# Altium PCB Modified.PcbDoc (part 2 of 3)
Units mm, origin at the board's own origin, x right, y up, seen from the top; angles counter-clockwise.
Board outline 130 x 95 mm, 2 copper layers (Top Layer, Bottom Layer), stack 1.671 mm thick; 165 components, 139 nets, 629 pads, 566 vias.
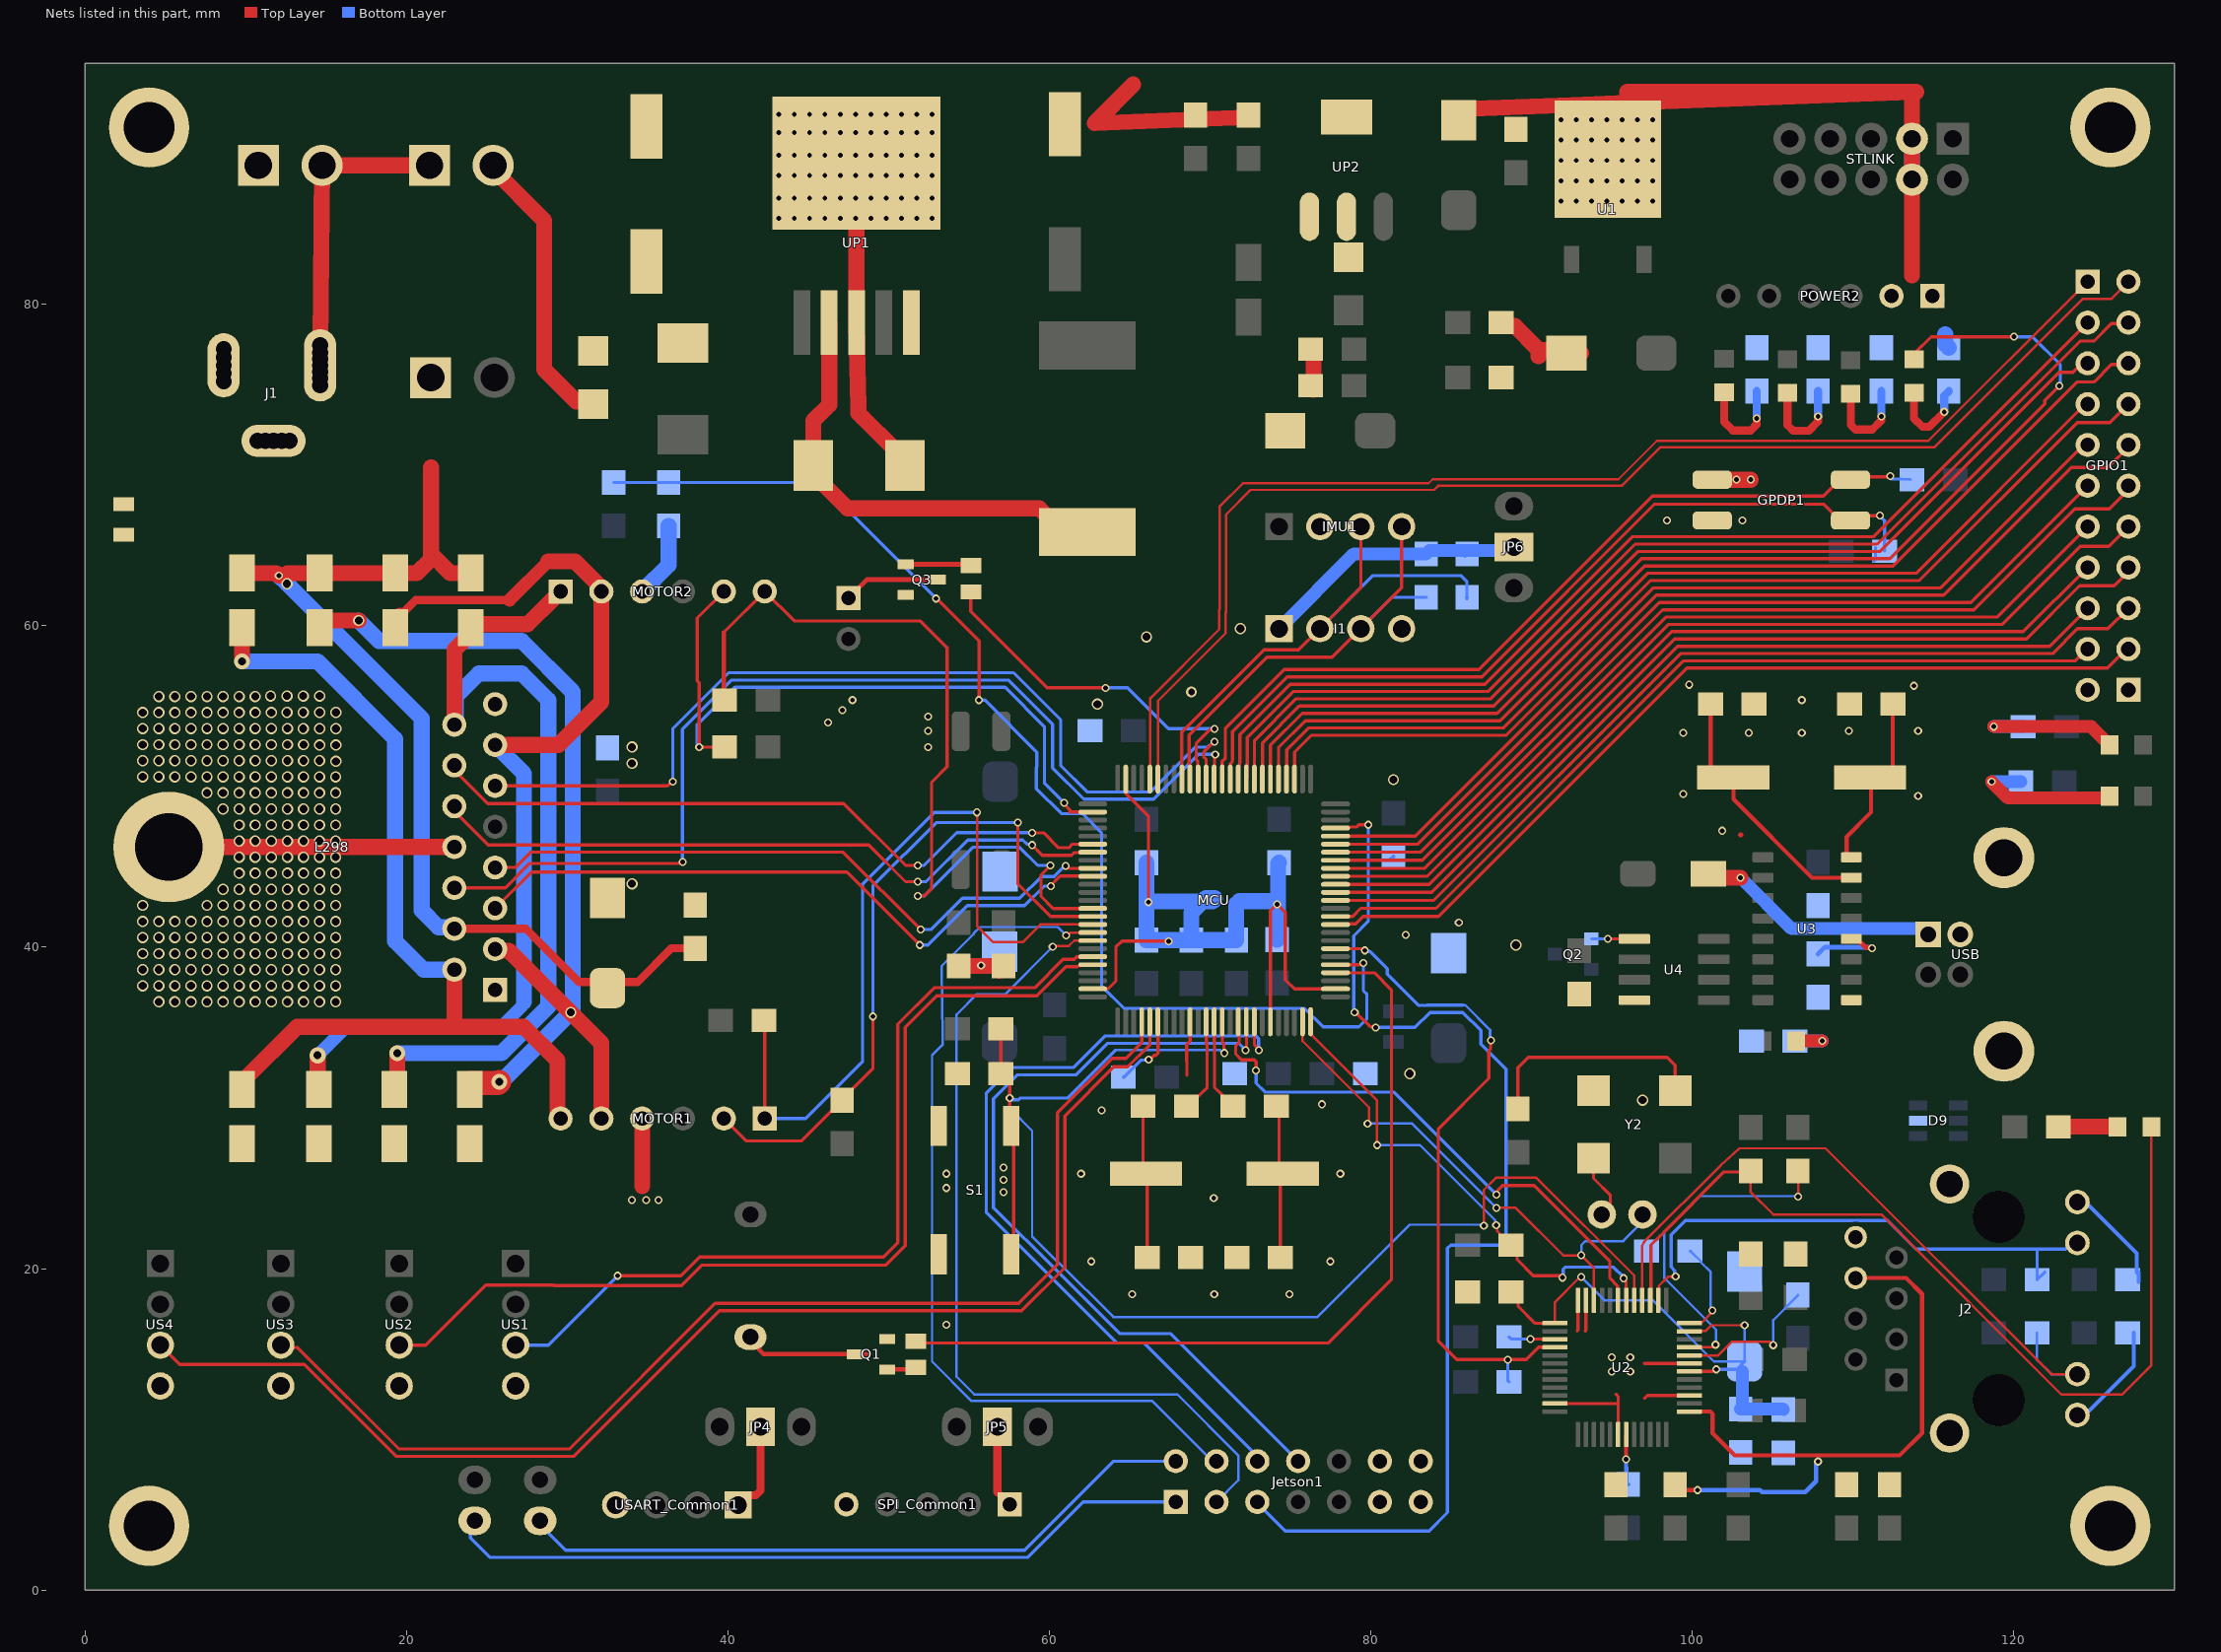
[diagram p2: the nets of this part, all layers, seen from the top]

## Via types
v1: diameter 0.7, hole 0.5, Top Layer to Bottom Layer, 217 vias
v2: diameter 0.5, hole 0.3, Top Layer to Bottom Layer, tented both sides, 183 vias
v3: diameter 0.5, hole 0.3, Top Layer to Bottom Layer, 139 vias
v4: diameter 0.7, hole 0.5, Top Layer to Bottom Layer, tented both sides, 19 vias
v5: diameter 1, hole 0.5, Top Layer to Bottom Layer, 4 vias
v6: diameter 0.7, hole 0.5, Top Layer to Bottom Layer, tented bottom, 3 vias
v7: diameter 0.7, hole 0.4, Top Layer to Bottom Layer, tented both sides, 1 vias

## Nets (pads, with @x,y where several pads share a name; then routed paths per layer and width w, separated by ;. In a path a pad name is that pad's centre, name@x,y a point inside that pad or via, vN(x,y) a via of type N, cw(c..) or ccw(c..) an arc to the next point about the centre after c; other vN are vias at no path point) (continued)
Buzzer: MCU.29 R14.1 | length 53
  Top Layer w0.2: R14.1@51.943,15.494 52.07,15.367 77.343,15.367 81.28,19.304 81.28,37.344 80.216,38.409 MCU.29@77.802,38.409
CH_XI: C39.2 U3.7 Y3.1 | length 16.3
  Top Layer w0.254: C39.2@101.139,55.118 101.139,51.169 101.762,50.546 Y3.1@102.557,50.546 102.557,49.208 107.442,44.323 U3.7@109.894,44.323
CH_XO: C38.2 U3.8 Y3.2 | length 11.2
  Top Layer w0.254: U3.8@109.601,45.593 109.601,46.863 111.125,48.387 111.125,50.478 Y3.2@111.057,50.546 111.852,50.546 112.475,51.169 C38.2@112.475,55.118
Com_I2C_SCL: Jetson1.4 MCU.92 | length 55.9
  Top Layer w0.15: v2(61.05,40.732) 61.145,40.732 61.323,40.909 MCU.92@62.702,40.909
  Bottom Layer w0.15: v2(61.05,40.732) 60.53,41.252 55.695,41.252 55.29,40.847 55.29,40.812 53.297,38.819 53.297,38.695 53.353,34.395 53.353,33.922 52.705,33.274 52.705,14.224 55.166,11.763 66.406,11.763 70.149,8.02 Jetson1.4@70.399,8.02
Com_I2C_SDA: Jetson1.3 MCU.93 | length 55.9
  Top Layer w0.15: v2(60.205,40.018) 60.257,40.07 61.209,40.07 61.548,40.409 MCU.93@62.702,40.409
  Bottom Layer w0.15: v2(60.205,40.018) 57.27,37.084 55.499,37.084 54.229,35.814 54.229,13.271 55.333,12.167 67.97,12.167 71.755,8.382 71.755,6.835 Jetson1.3@70.399,5.48
Com_SPI_MISO: Jetson1.8 MCU.17 | length 51.3
  Top Layer w0.2: v2(72.198,33.597) 72.198,33.678 72.262,33.742 72.262,35.349 MCU.17@72.26,35.351
  Bottom Layer w0.2: v2(72.198,33.597) 71.775,34.019 63.628,34.019 61.667,32.058 58.015,32.058 56.527,30.57 56.527,23.796 60.468,19.855 64.363,15.96 67.539,15.96 Jetson1.8@75.479,8.02
Com_SPI_MOSI: Jetson1.6 MCU.18 | length 52.1
  Top Layer w0.2: MCU.18@72.76,35.351 72.76,33.92 v2@73.152,33.528
  Bottom Layer w0.2: Jetson1.6@72.939,8.02 72.939,8.341 65.913,15.367 64.223,15.367 56.073,23.517 56.073,30.899 57.686,32.512 61.479,32.512 63.44,34.473 72.87,34.473 73.023,34.32 v2(73.023,33.597)
Com_SPI_SCK: Jetson1.5 MCU.47 | length 70.3
  Top Layer w0.2: MCU.47@77.802,47.409 78.579,47.409 78.644,47.475 79.112,47.475 79.254,47.617 v2(79.837,47.617) ; v2(78.994,35.941) 79.063,35.941 79.938,35.065 80.251,35.065 v2(80.308,35.008)
  Bottom Layer w0.2: Jetson1.5@72.939,5.48 72.939,5.42 74.676,3.683 83.625,3.683 84.768,4.826 84.768,21.268 84.963,21.463 88.011,21.463 88.413,21.865 88.413,32.41 86.849,33.974 86.849,34.817 85.725,35.941 83.685,35.941 82.752,35.008 v2(80.308,35.008) ; v2(78.994,35.941) 78.937,35.998 78.937,36.201 78.929,36.208 78.929,40.702 79.837,41.61 v2(79.837,47.617)
CRS_DV: MCU.32 R16.1 U2.40 | length 42.1
  Top Layer w0.2: MCU.32@77.81,39.901 79.444,39.901 79.548,39.797 v2(79.629,39.797) ; v2(87.479,34.198) 87.44,34.159 87.44,33.648 87.34,33.548 87.34,31.841 84.201,28.702 84.201,15.494 85.344,14.351 89.662,14.351 90.424,15.113 91.443,15.113 U2.40@91.451,15.105
  Bottom Layer w0.15: 85.725,36.395 85.878,36.395 87.422,34.851 87.422,34.752
  Bottom Layer w0.2: v2(79.629,39.797) 79.686,39.739 79.938,39.739 81.026,38.651 81.026,38.333 82.924,36.435 82.983,36.376 83.149,36.376 83.497,36.395 85.725,36.395 ; 87.422,34.752 87.422,34.256 v2(87.479,34.198) ; v2(88.519,14.339) 88.519,13.034 R16.1@88.599,12.954
ECHO_HC1: MCU.95 US1.3 | length 53.9
  Top Layer w0.2: v2(33.147,19.558) 37.077,19.558 38.241,20.722 49.678,20.722 50.581,21.625 50.581,35.214 52.843,37.476 59.087,37.476 60.849,39.237 61.554,39.237 61.707,39.39 62.7,39.39 MCU.95@62.71,39.401
  Bottom Layer w0.2: US1.3@26.797,15.24 28.829,15.24 v2(33.147,19.558)
ECHO_HC2: MCU.96 US2.3 | length 60.9
  Top Layer w0.2: US2.3@19.558,15.24 21.209,15.24 24.953,18.984 29.16,18.984 29.19,18.954 37.115,18.954 38.377,20.216 49.814,20.216 51.035,21.437 51.035,35.026 52.985,36.976 59.23,36.976 61.037,38.783 61.742,38.783 61.788,38.829 61.844,38.829 61.916,38.901 MCU.96@62.71,38.901
ECHO_HC3: MCU.4 US3.3 | length 73.5
  Top Layer w0.2: US3.3@12.192,15.24 12.336,15.096 13.225,15.096 19.539,8.782 30.153,8.782 39.208,17.837 58.089,17.837 60.506,20.254 60.506,29.695 63.898,33.087 64.763,33.087 65.752,34.076 MCU.4@65.752,35.327
ECHO_HC4: MCU.5 US4.3 | length 82
  Top Layer w0.2: US4.3@4.699,15.24 5.904,14.035 13.644,14.035 19.351,8.328 30.426,8.328 39.481,17.383 58.277,17.383 60.96,20.066 60.96,29.507 64.011,32.558 64.876,32.558 66.26,33.942 MCU.5@66.26,35.351
ENCDR_1A: MCU.90 MOTOR1.2 R38.2 | length 43.1
  Top Layer w0.2: MOTOR1.2@39.751,29.337 41.148,27.94 44.577,27.94 46.442,29.805 46.492,29.805 47.117,30.43 47.117,30.53 49.022,32.435 v2(49.022,35.687) ; v2(58.039,47.752) 58.039,43.942 60.072,41.909 MCU.90@62.702,41.909
  Bottom Layer w0.2: v2(49.022,35.687) 49.022,43.815 52.959,47.752 v2(58.039,47.752)
ENCDR_1B: MCU.91 MOTOR1.1 R36.2 | length 48.8
  Top Layer w0.15: v2(55.499,48.387) 55.499,41.321 56.515,40.305 58.339,40.305 59.443,41.409 61.36,41.409 MCU.91@62.702,41.409
  Top Layer w0.2: R36.2@42.244,35.433 42.291,35.386 MOTOR1.1@42.291,29.337
  Bottom Layer w0.2: MOTOR1.1@42.291,29.337 44.831,29.337 48.387,32.893 48.387,43.942 52.832,48.387 v2(55.499,48.387)
ENCDR_2A: MCU.77 MOTOR2.5 R37.2 | length 44.4
  Top Layer w0.2: MOTOR2.5@39.751,62.131 38.1,60.48 38.1,56.563 38.215,56.448 v2(38.215,52.451) R37.2@39.798,52.451 ; v2(60.932,48.971) 60.932,48.889 61.275,48.547 61.275,48.418 62.693,48.418 MCU.77@62.702,48.409
  Bottom Layer w0.2: v2(38.215,52.451) 38.215,52.532 38.1,52.647 38.1,53.834 40.432,56.166 57.248,56.166 59.69,53.724 59.69,50.213 v2(60.932,48.971)
ENCDR_2B: MCU.89 MOTOR2.6 R39.2 | length 52.7
  Top Layer w0.2: 39.751,59.591 MOTOR2.6@42.291,62.131 44.122,60.299 51.962,60.299 53.64,58.621 53.64,51.227 52.68,50.267 52.68,43.663 52.197,43.18 v2(51.816,43.18) ; v2(60.071,45.085) 59.48,44.494 59.48,43.171 60.241,42.409 MCU.89@62.702,42.409
  Top Layer w0.254: 39.751,59.591 39.751,55.419 R39.2@39.798,55.372
  Bottom Layer w0.2: v2(51.816,43.18) 52.197,43.18 55.235,46.218 58.158,46.218 59.291,45.085 v2(60.071,45.085)
ETH_MDC: MCU.16 U2.31 | length 34.7
  Top Layer w0.2: MCU.16@71.76,35.351 71.779,35.331 71.779,34.511 71.808,34.483 71.808,34.061 71.594,33.847 71.594,33.346 71.947,32.993 72.742,32.993 72.859,32.875 v2(72.859,32.32) ; v2(87.809,24.611) 87.866,24.669 87.866,24.834 88.197,25.164 90.152,25.164 94.869,20.447 94.869,19.392 95.349,18.912 95.349,18.715 95.381,18.683 U2.31@95.381,18.035
  Bottom Layer w0.2: v2(72.859,32.32) 72.859,31.535 73.406,30.988 81.432,30.988 v2(87.809,24.611)
ETH_MDIO: MCU.25 R24.2 U2.30 | length 31.1
  Top Layer w0.15: MCU.25@76.252,35.359 76.252,34.609 80.391,30.47 v2(80.391,27.686) ; v2(87.799,22.703) 87.865,22.636 87.865,22.324 88.026,22.163 88.026,22.113 88.676,21.463 R24.2@88.726,21.463
  Top Layer w0.2: R24.2@88.726,21.463 89.108,21.081 89.108,20.555 90.105,19.558 91.798,19.558 v2(91.915,19.44) ; v2(95.73,19.403) 95.73,19.378 95.881,19.227 U2.30@95.881,18.035
  Bottom Layer w0.15: v2(80.391,27.686) 83.058,27.686 87.734,23.01 87.734,22.767 v2(87.799,22.703)
  Bottom Layer w0.2: v2(91.915,19.44) 91.972,19.498 91.972,19.973 92.09,20.09 95.099,20.09 95.73,19.459 v2(95.73,19.403)
EXTI14: GPDP1.1 MCU.61 R7.2 | length 52.9
  Top Layer w0.2: MCU.61@71.26,50.451 71.271,50.461 71.271,51.434 71.38,51.544 71.38,51.644 71.398,51.662 71.398,53.421 74.792,56.814 86.906,56.814 97.656,67.564 108.166,67.564 109.182,66.548 GPDP1.1@109.837,66.548 110.136,66.847 v2(111.663,66.847)
  Bottom Layer w0.2: R7.2@111.292,64.018 111.394,64.12 R7.2@111.394,64.85 ; v2(111.663,66.847) 111.967,66.543 R7.2@111.967,64.643
EXTI15: GPDP1.2 MCU.62 R8.2 | length 52.5
  Top Layer w0.2: MCU.62@70.754,50.457 70.754,51.56 70.926,51.732 70.926,51.832 70.944,51.85 70.944,53.609 74.604,57.268 86.718,57.268 97.522,68.072 108.166,68.072 109.182,69.088 GPDP1.2@109.837,69.088 110.005,69.256 112.262,69.256 v2(112.319,69.313)
  Bottom Layer w0.2: v2(112.319,69.313) 112.377,69.256 112.377,69.139 112.393,69.123 112.99,69.123 R8.2@113.571,69.088
F2: F3.1 UP2.2 UP2.4
GND: C1.2 C2.2 C3.1 C4.1 C5.2 C6.2 C7.2 C8.1 C9.1 C10.1 C11.1 C12.1 C13.2 C14.1 C15.1 C16.1 C17.1 C18.1 C19.1 C20.2 C21.2 C22.1 C23.1 C24.1 C25.1 C26.1 C27.1 C28.1 C29.1 C30.1 C31.1 C32.2 C33.1 C34.1 C35.1 C36.1 C37.1 C38.1 C39.1 C40.1 C41.1 C42.1 CHARGER.1 D3.1 D9.2 FG1.2 GND.1 GND.2 GPDP1.3 GPDP1.4 I1.4 IMU1.2 J1.2 J1.3 J2.8 J2.15 J2.16 Jetson1.11 Jetson1.12 Jetson1.13 Jetson1.14 M1.S M2.S M3.S M4.S MCU.10 MCU.20 MCU.27 MCU.74 MCU.99 MOTOR1.4 MOTOR2.3 POWER2.1 POWER2.2 Q1.2 Q3.2 R1.1 R2.1 R3.1 R6.1 R12.2 R13.2 R20.1 R35.1 R44.2 S1.2 SPI_Common1.5 STLINK.3 STLINK.4 U1.2 U2.6 U2.15 U2.19 U2.35 U2.36 U2.47 U3.1 U4.4 UP1.3 UP1.5 UP1.6 UP2.1 US1.4 US2.4 US3.4 US4.4 USART_Common1.4 USB.4 Y2.2 | length 203.1
  Top Layer w0.2: MCU.99@62.71,37.401 63.477,37.401 63.498,37.422 63.676,37.422 64.135,37.881 64.135,40.005 64.516,40.386 v2@67.564,40.386 ; MCU.74@64.76,50.451 64.771,50.44 64.771,49.545 66.167,48.148 v2(66.167,42.799) ; 68.552,32.032 68.552,32.875 68.539,32.889 68.539,33.929 68.76,34.151 MCU.10@68.76,35.351 ; MCU.20@73.76,35.351 73.76,42.264 v2(74.168,42.672) 74.676,42.164 74.676,37.973 75.248,37.401 MCU.27@77.81,37.401 ; U2.47@91.451,11.605 95.381,11.605 ; 92.837,16.129 92.881,16.173 U2.36@92.881,18.035 ; 93.345,16.129 93.381,16.165 U2.35@93.381,18.035 ; 95.25,12.192 95.381,12.061 95.381,11.605 ; U2.6@95.381,9.675 95.381,11.605 ; 97.028,11.938 97.195,12.105 U2.15@99.811,12.105 ; 97.028,14.097 97.036,14.105 U2.19@99.811,14.105
  Top Layer w0.3: 102.997,46.99 103.012,46.99
  Top Layer w1: 34.671,25.146 MOTOR1.4@34.671,29.337 ; UP1.6@48.006,86.614 UP1.6@48.006,88.783 ; UP1.6@48.006,88.011 UP1.6@48.006,88.783 ; D3.1@51.018,69.977 51.018,70.327 50.293,71.052 48.404,72.94 48.12,73.224 48.112,73.626 48.031,77.357 UP1.3@48.006,78.858 UP1.6@48.006,88.783 ; R13.2@54.356,38.829 56.584,38.829 56.883,38.53 57.15,38.797 R12.2@57.15,38.829 ; 65.215,93.662 62.818,91.266 69.088,91.506 C4.1@72.39,91.632 ; C8.1@76.44,74.676 76.44,76.429 ; C5.2@85.471,92.131 92.55,92.402 95.963,92.532 97.46,92.589 113.665,93.208 STLINK.4@113.665,87.757 113.665,81.788 ; C11.1@88.439,78.867 88.664,78.642 88.962,78.642 90.442,77.162 ; 90.442,76.756 90.442,77.162 ; C7.2@92.726,76.953 C7.2@92.735,76.962 ; C7.2@93.063,76.962 C7.2@92.735,76.962 ; U1.2@94.742,89.027 94.742,91.491 95.956,92.705 95.956,93.218 113.919,93.218 ; GPDP1.3@101.237,69.088 v2(103.632,69.088) ; POWER2.2@112.395,80.518 POWER2.2@112.395,80.653 ; 90.442,77.162 92.063,77.162 92.263,76.962 C7.2@92.735,76.962
  Bottom Layer w0.254: C28.1@81.233,45.466 C28.1@81.407,45.64
  Bottom Layer w1: MOTOR2.3@34.671,62.131 36.322,63.782 R44.2@36.322,66.214 ; C19.1@66.04,45.259 v2@66.04,42.85 ; 70.231,42.926 70.155,42.85 69.528,42.85 ; 70.294,43.053 69.731,43.053 69.528,42.85 ; C18.1@74.168,40.466 74.231,40.529 v2@74.231,42.862 ; C17.1@74.295,45.259 74.231,45.196 v2@74.231,42.862 ; STLINK.4@113.665,87.757 STLINK.3@113.665,90.297 ; POWER2.1@114.935,80.518 POWER2.1@115.185,80.268 ; 115.726,78.128 115.726,77.521 R6.1@115.951,77.296 ; v2@66.04,42.85 69.528,42.85 ; v2@66.04,42.85 C16.1@66.04,40.441 C14.1@68.834,40.441 ; C14.1@68.834,40.441 68.834,42.156 69.528,42.85 ; C14.1@68.834,40.441 C15.1@71.628,40.441 71.628,42.672 71.819,42.862 v2@74.231,42.862
  other v2: 94.996,13.589 96.139,13.589 94.996,14.478 96.139,14.478 53.594,16.51 65.151,18.415 70.26,18.415 74.93,18.415 62.611,20.447 77.47,20.447 34.036,24.257 34.925,24.257 35.687,24.257 70.231,24.384 57.15,24.765 53.594,25.019 57.15,25.527 53.594,25.908 61.976,25.908 78.105,25.908 57.15,26.289 63.246,29.845 76.962,30.226 55.753,38.862 67.428,40.371 82.169,40.767 85.471,41.529 101.854,47.244 114.046,49.403 99.441,49.53 52.451,52.451 99.441,53.34 103.505,53.34 106.807,53.34 52.451,53.467 109.728,53.467 114.046,53.467 46.228,53.975 52.451,54.356 47.117,54.737 47.752,55.372 106.807,55.372 113.792,56.261 99.805,56.327 98.425,66.548 103.124,66.548 102.743,69.088
  other v3: 43.18,85.344 44.133,85.344 45.085,85.344 46.038,85.344 46.99,85.344 47.942,85.344 48.895,85.344 49.847,85.344 50.8,85.344 51.752,85.344 52.705,85.344 91.826,86.411 92.778,86.411 93.731,86.411 94.683,86.411 95.636,86.411 96.588,86.411 97.541,86.411 43.18,86.614 44.133,86.614 45.085,86.614 46.038,86.614 46.99,86.614 47.942,86.614 48.895,86.614 49.847,86.614 50.8,86.614 51.752,86.614 52.705,86.614 91.826,87.681 92.778,87.681 93.731,87.681 94.683,87.681 95.636,87.681 96.588,87.681 97.541,87.681 43.18,88.011 44.133,88.011 45.085,88.011 46.038,88.011 46.99,88.011 47.942,88.011 48.895,88.011 49.847,88.011 50.8,88.011 51.752,88.011 52.705,88.011 91.826,88.951 92.778,88.951 93.731,88.951 94.683,88.951 95.636,88.951 96.588,88.951 97.541,88.951 43.18,89.281 44.133,89.281 45.085,89.281 46.038,89.281 46.99,89.281 47.942,89.281 48.895,89.281 49.847,89.281 50.8,89.281 51.752,89.281 52.705,89.281 91.826,90.221 92.778,90.221 93.731,90.221 94.683,90.221 95.636,90.221 96.588,90.221 97.541,90.221 43.18,90.678 44.133,90.678 45.085,90.678 46.038,90.678 46.99,90.678 47.942,90.678 48.895,90.678 49.847,90.678 50.8,90.678 51.752,90.678 52.705,90.678 91.826,91.491 92.778,91.491 93.731,91.491 94.683,91.491 95.636,91.491 96.588,91.491 97.541,91.491 43.18,91.821 44.133,91.821 45.085,91.821 46.038,91.821 46.99,91.821 47.942,91.821 48.895,91.821 49.847,91.821 50.8,91.821 51.752,91.821 52.705,91.821
  other v4: 96.901,30.48 82.423,32.131 89.027,40.132 81.407,50.419 62.992,55.118 71.882,59.817
  other v6: 66.04,59.309
  other v7: 68.834,55.88
I2C3_PWR: I1.1 JP6.2 R40.2 R41.2 | length 16.9
  Bottom Layer w0.254: R40.2@85.852,64.342 R40.2@85.979,64.469
  Bottom Layer w0.8: I1.1@74.295,59.817 78.947,64.469 R41.2@83.439,64.469 83.653,64.683 88.686,64.683 JP6.2@88.9,64.897
I2C3_SCL: I1.2 IMU1.3 MCU.67 R40.1 | length 33.3
  Top Layer w0.2: MCU.67@68.26,50.451 68.234,50.477 68.234,53.375 73.352,58.493 75.511,58.493 I1.2@76.835,59.817 79.375,62.357 IMU1.3@79.375,66.167
  Bottom Layer w0.2: I1.2@76.835,59.817 80.137,63.119 85.598,63.119 85.979,62.738 R40.1@85.979,61.769
  Bottom Layer w0.254: R40.1@85.979,61.719 R40.1@85.979,61.769
I2C3_SDA: I1.3 IMU1.4 MCU.66 R41.1 | length 28.5
  Top Layer w0.2: MCU.66@68.76,50.451 68.732,50.479 68.732,51.434 68.688,51.478 68.688,53.187 73.54,58.039 77.597,58.039 I1.3@79.375,59.817 81.915,62.357 IMU1.4@81.915,66.167
  Bottom Layer w0.2: I1.3@79.375,59.817 81.327,61.769 R41.1@83.439,61.769
L298VS: C43.2 C44.1 D11.2 D12.2 D13.2 D14.2 L298.4 MOTOR.1 | length 65.2
  Top Layer w0.5: L298.4@22.987,41.148 27.432,41.148 28.273,40.307 30.749,37.831 32.512,37.831 34.382,37.831 36.476,39.925 C43.2@37.973,39.925
  Top Layer w1: D11.2@9.779,63.271 11.913,63.271 v2(12.065,63.119) 12.446,63.119 12.598,63.271 D12.2@14.605,63.271 D13.2@19.304,63.271 20.654,63.271 21.526,64.143 21.526,64.477 ; 21.526,69.85 21.526,64.477 ; D14.2@24.003,63.271 22.733,63.271 21.526,64.477
  Bottom Layer w1: v2(12.065,63.119) v4(12.573,62.611) 20.955,54.229 20.955,42.291 22.002,41.244 22.891,41.244 L298.4@22.987,41.148
LED_ACT: J2.11 R17.1 U2.26 | length 34
  Top Layer w0.15: U2.26@97.881,18.035 97.917,18.071 97.917,18.923 98.412,19.418 98.487,19.493 98.931,19.493 v2(98.962,19.524)
  Bottom Layer w0.2: v2(98.962,19.524) 98.905,19.581 98.905,19.872 98.679,20.098 98.679,22.098 99.568,22.987 109.943,22.987 109.966,23.01 110.358,23.01 110.381,22.987 112.141,22.987 113.908,21.22 121.445,21.22 ; R17.1@121.928,19.787 R17.1@121.445,19.304 121.445,21.22 ; J2.11@123.952,21.602 123.592,21.602 123.21,21.22 121.445,21.22
LED_LINK: J2.10 R19.1 U2.28 | length 43.4
  Top Layer w0.15: U2.28@96.881,18.035 96.881,21.381 96.881,21.443 96.992,21.653 101.784,26.445 102.924,27.486 108.277,27.486 122.331,13.432 J2.10@123.952,13.432
  Bottom Layer w0.15: R19.1@121.445,16.002 121.445,14.318 122.331,13.432 J2.10@123.952,13.432
LED_SPEED: R21.1 SPEED.1 U2.27 | length 58.6
  Top Layer w0.15: R21.1@103.632,26.082 103.632,24.765 105.029,23.368 111.76,23.368 122.967,12.161 126.715,12.161 128.558,14.004 SPEED.1@128.558,28.829
  Top Layer w0.2: U2.27@97.381,18.035 97.421,18.075 97.421,21.475 97.934,21.988 98.023,22.055 ccw(c97.028,23.368) 98.196,22.207 ccw(c96.464,23.932) 98.203,22.214 101.845,25.899 101.962,26.016 103.566,26.016 R21.1@103.632,26.082
LM_OUT: D3.2 L1.1 UP1.2 | length 28.4
  Top Layer w1: UP1.2@46.306,78.858 46.306,73.738 45.318,72.75 D3.2@45.318,69.977 46.043,69.252 46.043,68.716 47.449,67.31 59.375,67.31 60.857,65.828 L1.1@62.357,65.828
M_GND: C43.1 C44.2 C45.1 D15.1 D16.1 D17.1 D18.1 FG1.1 L298.1 L298.8 L298.15 L298.16 | length 17.8
  Top Layer w1: L298.16@5.217,46.228 L298.8@22.987,46.228
  other v1: 4.6,36.6 5.6,36.6 6.6,36.6 7.6,36.6 8.6,36.6 9.6,36.6 10.6,36.6 11.6,36.6 12.6,36.6 13.6,36.6 14.6,36.6 15.6,36.6 3.6,37.6 4.6,37.6 5.6,37.6 6.6,37.6 7.6,37.6 8.6,37.6 9.6,37.6 10.6,37.6 11.6,37.6 12.6,37.6 13.6,37.6 14.6,37.6 15.6,37.6 3.6,38.6 4.6,38.6 5.6,38.6 6.6,38.6 7.6,38.6 8.6,38.6 9.6,38.6 10.6,38.6 11.6,38.6 12.6,38.6 13.6,38.6 14.6,38.6 15.6,38.6 3.6,39.6 4.6,39.6 5.6,39.6 6.6,39.6 7.6,39.6 8.6,39.6 9.6,39.6 10.6,39.6 11.6,39.6 12.6,39.6 13.6,39.6 14.6,39.6 15.6,39.6 3.6,40.6 4.6,40.6 5.6,40.6 6.6,40.6 7.6,40.6 8.6,40.6 9.6,40.6 10.6,40.6 11.6,40.6 12.6,40.6 13.6,40.6 14.6,40.6 15.6,40.6 3.6,41.6 4.6,41.6 5.6,41.6 6.6,41.6 7.6,41.6 8.6,41.6 9.6,41.6 10.6,41.6 11.6,41.6 12.6,41.6 13.6,41.6 14.6,41.6 15.6,41.6 3.6,42.6 7.6,42.6 8.6,42.6 9.6,42.6 10.6,42.6 11.6,42.6 12.6,42.6 13.6,42.6 14.6,42.6 15.6,42.6 8.6,43.6 9.6,43.6 10.6,43.6 11.6,43.6 12.6,43.6 13.6,43.6 14.6,43.6 15.6,43.6 9.6,44.6 10.6,44.6 11.6,44.6 12.6,44.6 13.6,44.6 14.6,44.6 15.6,44.6 9.6,45.6 10.6,45.6 11.6,45.6 12.6,45.6 13.6,45.6 14.6,45.6 15.6,45.6 9.6,46.6 10.6,46.6 11.6,46.6 12.6,46.6 13.6,46.6 14.6,46.6 15.6,46.6 9.6,47.6 10.6,47.6 11.6,47.6 12.6,47.6 13.6,47.6 14.6,47.6 15.6,47.6 8.6,48.6 9.6,48.6 10.6,48.6 11.6,48.6 12.6,48.6 13.6,48.6 14.6,48.6 15.6,48.6 7.6,49.6 8.6,49.6 9.6,49.6 10.6,49.6 11.6,49.6 12.6,49.6 13.6,49.6 14.6,49.6 15.6,49.6 3.6,50.6 4.6,50.6 5.6,50.6 6.6,50.6 7.6,50.6 8.6,50.6 9.6,50.6 10.6,50.6 11.6,50.6 12.6,50.6 13.6,50.6 14.6,50.6 15.6,50.6 15.621,51.562 3.6,51.6 4.6,51.6 5.6,51.6 6.6,51.6 7.6,51.6 8.6,51.6 9.6,51.6 10.6,51.6 11.6,51.6 12.6,51.6 13.6,51.6 14.6,51.6 14.605,52.578 15.621,52.578 3.6,52.6 4.6,52.6 5.6,52.6 6.6,52.6 7.6,52.6 8.6,52.6 9.6,52.6 10.6,52.6 11.6,52.6 12.6,52.6 13.6,52.6 3.6,53.6 4.6,53.6 5.6,53.6 6.6,53.6 7.6,53.6 8.6,53.6 9.6,53.6 10.6,53.6 11.6,53.6 12.6,53.6 13.589,53.594 14.605,53.594 15.621,53.594 3.6,54.6 4.6,54.6 5.6,54.6 6.6,54.6 7.6,54.6 8.6,54.6 9.6,54.6 10.6,54.6 11.6,54.6 12.573,54.61 13.589,54.61 14.605,54.61 15.621,54.61 4.6,55.6 5.6,55.6 6.6,55.6 7.6,55.6 8.6,55.6 9.6,55.6 10.6,55.6 11.557,55.626 12.573,55.626 13.589,55.626 14.605,55.626
  other v4: 34.036,43.942 34.036,51.435 34.036,52.451
Motor_A1: L298.5 MCU.85 | length 41.8
  Top Layer w0.2: L298.5@25.527,42.418 27.777,44.668 47.407,44.668 v3(51.943,40.132) ; v2(60.093,43.798) 60.093,43.842 60.577,44.325 60.581,44.325 60.688,44.432 60.886,44.432 60.889,44.429 62.682,44.429 MCU.85@62.702,44.409
  Bottom Layer w0.2: v3(51.943,40.132) 52.451,40.132 54.908,42.589 58.464,42.589 59.673,43.798 v2(60.093,43.798)
Motor_A2: L298.7 MCU.84 | length 41.3
  Top Layer w0.2: L298.7@25.527,44.958 26.783,44.958 27.737,45.912 47.179,45.912 v3(51.989,41.102) ; v2@60.96,45.063 61.041,45.063 61.195,44.909 MCU.84@62.702,44.909
  Bottom Layer w0.2: v3(51.989,41.102) 52.659,41.102 54.6,43.043 58.156,43.043 59.515,44.402 60.3,44.402 v2@60.96,45.063
  other v2: 61.017,45.063
Motor_B1: L298.10 MCU.82 | length 43.4
  Top Layer w0.2: L298.10@22.987,48.768 22.987,48.477 24.063,47.401 25.098,46.366 48.757,46.366 51.049,44.075 v3@51.744,44.075 ; v2(58.928,46.355) 58.928,46.347 59.562,45.713 61.382,45.713 61.559,45.89 62.682,45.89 MCU.82@62.702,45.909
  Bottom Layer w0.2: v3@51.744,44.075 52.322,44.075 54.92,46.672 58.346,46.672 58.607,46.411 58.872,46.411 v2(58.928,46.355)
  other v3: 51.816,44.075
Motor_B2: L298.12 MCU.81 | length 43.8
  Top Layer w0.2: L298.12@22.987,51.308 22.987,51.017 25.07,48.934 47.205,48.934 51.054,45.085 v3@51.689,45.085 ; v2(58.928,47.117) 59.644,47.117 60.578,46.183 61.21,46.183 61.436,46.409 MCU.81@62.702,46.409
  Bottom Layer w0.2: v3@51.689,45.085 52.197,45.085 54.238,47.126 58.919,47.126 v2(58.928,47.117)
  other v3: 51.816,45.085
Motor_EN_A: L298.6 MCU.63 | length 64.9
  Top Layer w0.2: L298.6@22.987,43.688 26.155,43.688 27.679,45.212 36.944,45.212 36.982,45.251 37.137,45.251 v3(37.194,45.308) ; MCU.63@70.252,50.459 70.271,50.479 70.271,51.931 v2(70.322,51.982)
  Bottom Layer w0.2: v3(37.194,45.308) 37.18,45.322 37.18,53.556 40.244,56.62 57.436,56.62 60.198,53.858 60.198,51.153 62.148,49.203 66.482,49.203 69.276,51.997 70.307,51.997 v2(70.322,51.982)
Motor_EN_B: L298.11 MCU.64 | length 58.2
  Top Layer w0.2: L298.11@25.527,50.038 36.241,50.038 36.495,50.292 v3(36.576,50.292) ; MCU.64@69.752,50.459 69.752,51.699 69.596,51.854 69.596,52.11 v2(70.272,52.787)
  Bottom Layer w0.2: v3(36.576,50.292) 36.576,53.594 40.056,57.074 57.766,57.074 60.706,54.134 60.706,51.287 62.336,49.657 66.294,49.657 69.088,52.451 69.856,52.451 70.156,52.752 v2@70.156,52.787
NetC1_1: C1.1 D1.1 F1.2
NetC24_2: C24.2 R10.2 Y1.2 | length 9.9
  Top Layer w0.15: Y1.2@65.833,26.278 65.463,25.908 Y1.2@66.087,25.284
  Top Layer w0.2: Y1.2@65.833,26.278 R10.2@65.833,30.226 ; C24.2@66.087,20.701 Y1.2@66.087,25.284
NetC26_2: C26.2 R11.2 Y1.1 | length 10
  Top Layer w0.15: Y1.1@73.867,25.812 Y1.1@74.121,26.066 ; Y1.1@74.375,25.773 Y1.1@74.51,25.908
  Top Layer w0.2: R11.2@74.121,30.099 74.295,29.925 74.295,26.123 Y1.1@74.51,25.908 ; C26.2@74.375,20.701 Y1.1@74.375,25.773
NetC41_2: C41.2 U3.4 | length 5
  Top Layer w0.3: U3.4@109.894,40.513 110.239,40.513 110.784,39.968 111.132,39.968 v2(111.17,39.929)
  Bottom Layer w0.3: C41.2@107.823,39.577 108.251,40.005 v2@111.125,40.005
NetCHARGER_2: CHARGER.2 J1.1 POWER.1 | length 20.5
  Top Layer w1: J1.1@14.636,75.8 J1.1@14.636,75.4 14.64,75.8 14.643,76.2 14.647,76.6 14.65,77 14.654,77.45 CHARGER.2@14.755,88.646 POWER.1@21.59,88.646
NetD2_1: D2.1 R1.2 | length 6
  Top Layer w0.5: D2.1@109.855,74.422 109.855,72.5 110.148,72.207 111.196,72.207 111.76,72.771 v2(111.76,73.025)
  Bottom Layer w0.5: v2(111.76,73.025) R1.2@111.76,74.596
NetD5_1: D5.1 R2.2 | length 6.2
  Top Layer w0.5: D5.1@105.918,74.481 105.918,72.483 106.265,72.136 107.25,72.136 107.823,72.709 v2(107.823,73.025)
  Bottom Layer w0.5: v2(107.823,73.025) R2.2@107.823,74.596
NetD6_1: D6.1 R3.2 | length 6.3
  Top Layer w0.5: D6.1@101.981,74.515 101.981,72.683 102.52,72.144 103.64,72.144 104.013,72.517 v2(104.013,72.898)
  Bottom Layer w0.5: v2(104.013,72.898) R3.2@104.013,74.596
NetD7_1: D7.1 R6.2 | length 5.5
  Top Layer w0.5: D7.1@113.792,74.481 113.792,72.898 114.318,72.372 114.733,72.372 v2(115.669,73.307)
  Bottom Layer w0.5: v2(115.669,73.307) 115.669,74.314 R6.2@115.951,74.596
NetD10_1: D10.1 R35.2 | length 3.3
  Top Layer w0.8: D10.1@106.46,34.163 v2(108.077,34.163)
  Bottom Layer w0.8: R35.2@106.379,34.163 v2(108.077,34.163)
NetDP1_1: DP1.1 USB.1 | length 15.3
  Top Layer w1: DP1.1@101.006,44.577 101.26,44.323 v2(102.997,44.323)
  Bottom Layer w0.8: v2(102.997,44.323) 106.172,41.148 114.389,41.148 USB.1@114.67,40.867
  Bottom Layer w1: USB.1@114.67,40.798 USB.1@114.67,40.867
NetF1_1: F1.1 POWER.2 | length 17.8
  Top Layer w1: POWER.2@25.4,88.392 28.575,85.217 28.575,75.946 30.562,73.959 31.198,73.959 F1.1@31.623,73.534
NetJ2_9: J2.9 R31.2 | length 6.8
  Bottom Layer w0.254: J2.9@123.952,10.892 124.196,11.136 124.674,11.136 127.461,13.923 R31.2@127.461,16.002
NetJ2_12: J2.12 R32.2 | length 7
  Bottom Layer w0.254: J2.12@123.952,24.142 124.196,23.898 124.692,23.898 127.635,20.955 127.635,19.904 127.635,19.775 127.744,19.666 R32.2@127.762,19.666 ; R32.2@127.762,19.177 R32.2@127.762,19.666 ; R32.2@127.762,19.775 R32.2@127.762,19.666
NetJetson1_1: Jetson1.1 JP1.2 | length 46.9
  Bottom Layer w0.2: JP1.2@23.991,4.393 23.991,3.255 25.214,2.032 58.645,2.032 62.093,5.48 Jetson1.1@67.859,5.48
NetJetson1_2: Jetson1.2 JP2.1 | length 43
  Bottom Layer w0.2: JP2.1@28.067,4.318 29.899,2.486 58.457,2.486 63.991,8.02 Jetson1.2@67.859,8.02 ; JP2.1@28.067,4.445 JP2.1@28.067,4.572
NetJP3_2: JP3.2 Y2.3 | length 4
  Top Layer w0.2: Y2.3@93.853,26.868 93.853,25.616 94.902,24.567 JP3.2@94.902,23.462 ; JP3.2@94.775,23.462 JP3.2@94.869,23.368
NetJP4_2: JP4.2 USART_Common1.1 | length 5.7
  Top Layer w0.5: USART_Common1.1@40.64,5.298 41.24,5.898 41.744,5.898 42.037,6.19 JP4.2@42.037,10.16
NetJP5_2: JP5.2 SPI_Common1.1 | length 5.1
  Top Layer w0.5: JP5.2@56.769,10.16 56.769,6.096 SPI_Common1.1@57.531,5.334
NetMCU_6: MCU.6 R4.2 | length 4.7
  Top Layer w0.2: v2(66.183,33.011) 66.264,33.011 66.515,33.261 66.619,33.261 66.76,33.403 MCU.6@66.76,35.351
  Bottom Layer w0.2: R4.2@64.601,31.917 64.651,31.917 65.711,32.977 66.149,32.977 v2(66.183,33.011)
NetP1_1: P1.1 Q3.3 | length 6
  Top Layer w0.3: P1.1@47.498,61.722 48.641,62.865 Q3.3@53.07,62.865
NetQ1_1: Q1.1 R14.2 | length 1.9
  Top Layer w0.3: Q1.1@49.884,13.733 51.579,13.733 R14.2@51.689,13.843
NetQ1_3: Q1.3 SP1.2 | length 8
  Top Layer w0.254: SP1.2@41.159,15.743 41.243,15.743 41.959,15.027 41.959,14.943 42.218,14.684 48.646,14.684
NetQ2_1: Q2.1 U4.1 | length 2.8
  Top Layer w0.203: v2@94.615,40.513 U4.1@96.393,40.513
  Bottom Layer w0.203: Q2.1@93.726,40.513 v2(94.742,40.513)
NetQ3_1: Q3.1 R42.2 | length 4.1
  Top Layer w0.3: Q3.1@51.07,63.815 55.057,63.815 R42.2@55.118,63.754
NetR15_1: R15.1 Y2.1 | length 14.4
  Top Layer w0.2: R15.1@89.154,29.937 89.154,32.512 89.789,33.147 98.425,33.147 98.933,32.639 Y2.1@98.933,31.068
NetR18_2: R18.2 U2.7 | length 3.2
  Top Layer w0.254: v2(95.881,8.132) U2.7@95.881,9.675
  Bottom Layer w0.254: v2(95.881,8.132) 95.881,7.624 95.889,7.616 95.889,6.692 R18.2@96.012,6.569
NetR20_2: R20.2 U2.24 | length 5.9
  Top Layer w0.15: U2.24@99.811,16.605 99.876,16.67 100.617,16.67 v2@101.219,17.272
  Bottom Layer w0.15: R20.2@99.855,21.082 99.905,21.082 100.555,20.432 100.555,20.382 101.125,19.812 v2@101.125,17.399
  other v2: 101.252,17.399
NetR22_1: R22.1 SPEED.2 | length 3.1
  Top Layer w1: R22.1@122.762,28.829 125.822,28.829
NetR23_1: R23.1 U2.39 | length 2.9
  Top Layer w0.2: v2(89.928,15.621) 89.936,15.613 91.443,15.613 U2.39@91.451,15.605
  Bottom Layer w0.2: R23.1@88.599,15.748 88.726,15.621 v2(89.928,15.621)
NetR29_2: R29.2 U2.20 | length 9.4
  Top Layer w0.15: U2.20@99.811,14.605 101.093,14.605 101.6,14.605 102.441,15.446 104.823,15.446 v2(105.029,15.24)
  Bottom Layer w0.15: v2(105.029,15.24) 105.029,16.794 106.553,18.318 R29.2@106.553,18.368
NetR30_2: R30.2 U2.21 | length 20.9
  Top Layer w0.15: U2.21@99.811,15.105 99.815,15.101 101.24,15.101 101.407,15.268 v2(101.445,15.268) ; R30.2@106.553,26.082 106.583,26.052 v2(106.583,24.489)
  Bottom Layer w0.15: v2(101.445,15.268) 101.473,15.297 101.473,16.194 98.25,19.417 98.25,22.276 100.485,24.511 106.561,24.511 v2(106.583,24.489)
NetR33_2: R33.2 TX.2 | length 9.5
  Top Layer w0.8: v2(118.618,50.292) 119.634,49.276 TX.2@125.911,49.276
  Bottom Layer w0.8: v2(118.618,50.292) R33.2@120.443,50.292
NetR34_2: R34.2 RX.2 | length 9.5
  Top Layer w0.8: v2(118.745,53.721) 124.807,53.721 RX.2@125.95,52.578
  Bottom Layer w0.8: v2(118.745,53.721) R34.2@120.57,53.721
NRST: C25.2 MCU.14 R9.1 S1.1 U2.29 | length 88.6
  Top Layer w0.15: v2(87.03,22.674) 87.03,24.898 87.786,25.654 90.297,25.654 96.385,19.566 96.385,18.039 U2.29@96.381,18.035
  Top Layer w0.2: R9.1@56.976,34.925 56.976,32.385 57.531,31.83 57.531,28.976 57.785,28.722 57.785,21.062 S1.1@57.622,20.9 ; MCU.14@70.76,35.351 70.76,34.088 70.86,33.988 70.86,33.432 v2(70.877,33.415)
  Bottom Layer w0.15: v2@57.531,30.507 57.531,30.391 57.575,29.928 58.928,28.575 58.928,22.001 60.558,20.372 60.594,20.372 63.978,16.988 76.678,16.988 82.423,22.733 86.971,22.733 v2(87.03,22.674) ; 64.087,33.565 64.112,33.59 70.614,33.59 70.789,33.415 v2(70.877,33.415)
  Bottom Layer w0.2: v2@57.631,30.507 58.081,30.507 58.181,30.607 61.129,30.607 61.188,30.666 64.087,33.565
  other v2: 57.531,30.607
OSC_IN: MCU.12 R10.1 | length 6.7
  Top Layer w0.15: R10.1@68.105,30.226 68.105,30.616 R10.1@68.545,30.616
  Top Layer w0.2: R10.1@68.533,30.099 69.158,30.724 69.261,30.724 69.819,31.282 69.819,33.905 69.76,33.964 69.76,35.323 MCU.12@69.747,35.337
OSC_OUT: MCU.13 R11.1 | length 5.8
  Top Layer w0.15: R11.1@71.752,30.099 R11.1@71.802,30.099
  Top Layer w0.2: MCU.13@70.26,35.351 70.26,34.106 70.273,34.093 70.273,31.283 70.746,30.81 70.746,30.724 71.371,30.099 R11.1@71.421,30.099
OSC_X1: JP3.1 MCU.24 U2.34 | length 33.6
  Top Layer w0.15: MCU.24@75.752,35.359 75.752,34.151 79.883,30.02 v2@79.883,29.04 ; v2(87.809,23.782) 89.01,23.782 91.964,20.828 v2(93.091,20.828) 93.881,20.038 U2.34@93.881,18.035
  Bottom Layer w0.15: v2(79.798,29.025) 82.566,29.025 v2(87.809,23.782) ; v2(93.091,20.828) 93.091,21.463 93.345,21.717 95.703,21.717 JP3.1@96.93,22.944 ; JP3.1@96.676,22.944 JP3.1@97.366,22.944
OUT_1: D11.1 D15.2 L298.2 MOTOR1.6 | length 60.7
  Top Layer w1: D15.2@9.779,30.814 D15.2@9.779,31.164 ; v5(9.779,57.785) D11.1@9.779,59.871 ; D15.2@10.033,30.988 10.033,31.877 13.208,35.052 22.987,35.052 ; L298.2@22.987,38.417 22.987,35.052 ; L298.2@22.987,38.608 L298.2@23.178,38.417 ; MOTOR1.6@29.591,29.337 29.4,29.528 29.4,32.957 27.305,35.052 22.987,35.052
  Bottom Layer w1: v5(9.779,57.785) 14.478,57.785 19.304,52.959 19.304,40.386 21.082,38.608 L298.2@22.987,38.608
OUT_2: D12.1 D16.2 L298.3 MOTOR1.5 | length 60
  Top Layer w1: D12.1@14.605,59.871 14.605,60.025 14.905,60.325 v4(17.033,60.325) ; L298.3@25.553,39.878 25.649,39.782 26.385,39.782 32.131,34.036 MOTOR1.5@32.131,29.337
  Top Layer w1.5: D16.2@23.953,31.164 23.953,31.495 24.003,31.545 25.703,31.545 v5(25.781,31.623)
  Bottom Layer w1: v4(17.033,60.325) 18.303,59.055 27.178,59.055 30.353,55.88 30.353,36.068 25.908,31.623 v5(25.781,31.623)
  other v4: 30.226,35.941
OUT_3: D13.1 D17.2 L298.13 MOTOR2.2 | length 63.4
  Top Layer w0.5: D13.1@19.597,60.618 19.701,60.618 19.854,60.771 19.854,60.875 20.574,61.595 26.416,61.595
  Top Layer w0.8: 26.416,61.595 28.829,64.008
  Top Layer w1: v5(14.478,33.274) 14.478,31.241 D17.2@14.555,31.164 ; D13.1@19.304,59.871 19.597,60.163 D13.1@19.597,60.618 ; L298.13@25.527,52.578 29.464,52.578 32.131,55.245 MOTOR2.2@32.131,62.131 32.131,62.266 31.881,62.516 31.881,62.607 30.48,64.008 28.829,64.008
  Bottom Layer w0.8: v5(14.478,33.274) 16.129,34.925 25.781,34.925 27.221,36.365 27.221,36.506
  Bottom Layer w1: L298.13@25.527,52.578 27.321,50.784 27.321,36.606
OUT_4: D14.1 D18.2 L298.14 MOTOR2.1 | length 53.7
  Top Layer w1: D18.2@19.254,31.164 19.431,31.341 v5(19.431,33.401) ; L298.14@22.987,53.848 22.987,58.505 24.003,59.521 D14.1@24.003,59.871 24.22,60.087 27.548,60.087 29.091,61.631 MOTOR2.1@29.591,62.131
  Bottom Layer w1: v5(19.431,33.401) 25.913,33.401 28.829,36.317 28.829,55.372 27.178,57.023 24.511,57.023 23.075,55.587 23.075,53.936 L298.14@22.987,53.848
PA5: MCU.30 R43.2 R44.1 | length 75.6
  Top Layer w0.2: v2@52.959,61.722 55.626,59.055 v2(55.626,55.372) ; MCU.30@77.802,38.909 79.349,38.909 79.452,39.013 v2(79.533,39.013)
  Bottom Layer w0.2: R43.2@32.893,68.914 R44.1@36.322,68.914 45.732,68.914 v2(52.956,61.69) ; v2(55.626,55.372) 55.992,55.372 59.228,52.136 59.228,51.237 59.182,51.191 59.182,49.867 60.741,48.308 62.055,48.308 63.246,47.117 63.246,37.592 64.643,36.195 75.882,36.195 77.025,35.052 79.258,35.052 79.756,35.55 79.756,37.071 79.533,37.294 v2(79.533,39.013)
PA11: GPIO1.2 MCU.70 | length 80.4
  Top Layer w0.15: MCU.70@66.76,50.451 66.76,55.33 70.972,59.542 70.972,60.82 70.991,60.839 70.991,66.919 72.524,68.452 83.935,68.452 84.19,68.707 95.602,68.707 97.992,71.097 115.039,71.097 124.27,80.328 126.048,80.328 GPIO1.2@127.127,81.407
PA12: GPIO1.1 MCU.71 | length 78.8
  Top Layer w0.15: MCU.71@66.26,50.451 66.279,50.47 66.279,51.519 66.286,51.525 66.286,55.491 70.568,59.773 70.568,60.987 70.587,61.006 70.587,67.412 72.042,68.867 83.599,68.867 83.843,69.111 95.4,69.111 97.79,71.501 114.681,71.501 GPIO1.1@124.734,81.554
PB0: GPIO1.20 MCU.35 | length 56.7
  Top Layer w0.2: MCU.35@77.802,41.409 77.821,41.429 78.641,41.429 78.668,41.455 79.054,41.455 79.509,41.91 84.201,41.91 99.651,57.36 125.813,57.36 GPIO1.20@127.254,58.801
PB1: GPIO1.19 MCU.36 | length 53.7
  Top Layer w0.2: MCU.36@77.802,41.909 78.866,41.909 79.375,42.418 84.067,42.418 99.463,57.814 123.835,57.814 124.505,58.483 GPIO1.19@124.65,58.483
PB14: GPIO1.9 MCU.53 | length 58.9
  Top Layer w0.2: MCU.53@75.252,50.459 75.252,52.138 76.296,53.182 88.41,53.182 97.582,62.354 115.447,62.354 124.34,71.247 GPIO1.9@124.587,71.247
PB15: GPIO1.8 MCU.54 | length 63.1
  Top Layer w0.2: MCU.54@74.76,50.451 74.76,52.288 76.108,53.636 88.222,53.636 97.394,62.808 114.116,62.808 123.952,72.644 125.984,72.644 GPIO1.8@127.127,73.787
PC8: MCU.65 R42.1 | length 23.2
  Top Layer w0.2: R42.1@55.118,62.104 55.118,60.879 59.863,56.134 v2(63.5,56.134) ; MCU.65@69.252,50.459 69.232,50.479 69.232,51.576 69.142,51.666 69.142,52.693 69.978,53.53 70.226,53.53 v2(70.283,53.587)
  Bottom Layer w0.2: v2(63.5,56.134) 64.872,56.134 65.24,55.766 67.419,53.587 v2(70.283,53.587)
PD8: GPIO1.7 MCU.55 | length 61.2
  Top Layer w0.2: MCU.55@74.26,50.451 74.26,52.43 75.92,54.09 88.034,54.09 97.206,63.262 113.928,63.262 124.453,73.787 GPIO1.7@124.587,73.787
PD9: GPIO1.6 MCU.56 | length 65.3
  Top Layer w0.2: MCU.56@73.76,50.451 73.76,52.572 75.732,54.544 87.846,54.544 97.018,63.716 112.477,63.716 123.922,75.161 124.983,75.161 126.077,76.256 127.056,76.256 GPIO1.6@127.127,76.327
PD10: D7.2 MCU.57 | length 72.7
  Top Layer w0.2: MCU.57@73.26,50.451 73.26,52.715 75.544,54.998 87.658,54.998 96.83,64.17 112.289,64.17 121.925,73.806 121.925,74.018 v2(122.823,74.916) ; D7.2@113.792,76.962 113.842,76.962 114.858,77.978 v2(120.015,77.978)
  Bottom Layer w0.2: v2(120.015,77.978) 121.158,77.978 122.892,76.244 122.892,75.183 122.88,75.171 122.88,74.974 v2(122.823,74.916)
PD11: GPIO1.5 MCU.58 | length 64
  Top Layer w0.2: MCU.58@72.76,50.451 72.76,52.857 75.356,55.452 87.47,55.452 96.642,64.624 111.677,64.624 122.811,75.758 123.671,75.758 124.24,76.327 GPIO1.5@124.587,76.327
PD12: GPIO1.4 MCU.59 | length 68.1
  Top Layer w0.2: MCU.59@72.26,50.451 72.288,50.478 72.288,51.268 72.306,51.286 72.306,53.045 75.168,55.906 87.282,55.906 96.454,65.078 111.489,65.078 124.122,77.712 124.993,77.712 126.077,78.796 127.056,78.796 GPIO1.4@127.127,78.867
PD13: GPIO1.3 MCU.60 | length 66.2
  Top Layer w0.2: MCU.60@71.76,50.451 71.76,51.245 71.832,51.316 71.832,51.353 71.834,51.356 71.834,51.456 71.852,51.474 71.852,53.233 74.98,56.36 87.094,56.36 96.266,65.532 111.252,65.532 GPIO1.3@124.587,78.867
PE7: GPIO1.18 MCU.38 | length 56.8
  Top Layer w0.2: MCU.38@77.81,42.901 77.819,42.909 83.916,42.909 99.275,58.268 122.41,58.268 123.959,59.817 125.857,59.817 GPIO1.18@127.127,61.087
PE8: GPIO1.17 MCU.39 | length 54.4
  Top Layer w0.2: MCU.39@77.81,43.401 77.819,43.409 83.774,43.409 99.087,58.722 122.222,58.722 GPIO1.17@124.763,61.263
PE9: GPIO1.16 MCU.40 | length 57.6
  Top Layer w0.2: MCU.40@77.819,43.909 83.632,43.909 98.899,59.176 120.778,59.176 124.086,62.484 126.238,62.484 127.127,63.373 GPIO1.16@127.127,63.627
PE10: GPIO1.15 MCU.41 | length 54.7
  Top Layer w0.2: MCU.41@77.819,44.409 83.49,44.409 98.711,59.63 120.59,59.63 GPIO1.15@124.587,63.627
PE11: GPIO1.14 MCU.42 | length 58.1
  Top Layer w0.2: MCU.42@77.819,44.909 83.348,44.909 98.523,60.084 119.28,60.084 124.135,64.939 125.899,64.939 GPIO1.14@127.127,66.167
PE12: GPIO1.13 MCU.43 | length 55.4
  Top Layer w0.2: MCU.43@77.819,45.409 83.206,45.409 98.335,60.538 118.958,60.538 GPIO1.13@124.587,66.167
PE13: GPIO1.12 MCU.44 | length 58.9
  Top Layer w0.2: MCU.44@77.819,45.909 83.064,45.909 98.147,60.992 117.514,60.992 123.793,67.271 125.945,67.271 127.127,68.453 GPIO1.12@127.127,68.707
PE14: GPIO1.11 MCU.45 | length 56
  Top Layer w0.2: MCU.45@77.819,46.409 82.922,46.409 97.959,61.446 117.326,61.446 GPIO1.11@124.587,68.707
PE15: GPIO1.10 MCU.46 | length 59.5
  Top Layer w0.2: MCU.46@77.819,46.909 82.78,46.909 97.77,61.9 115.635,61.9 123.585,69.85 125.857,69.85 127.127,71.12 GPIO1.10@127.127,71.247
PFBOUT: C32.1 C33.2 C34.2 C35.2 U2.18 U2.23 U2.37 | length 34.3
  Top Layer w0.15: U2.37@91.451,16.605 91.451,17.918 93.013,19.48 v2(93.084,19.48) ; U2.23@99.811,16.105 99.832,16.126 100.708,16.126 100.711,16.129 100.838,16.129 101.188,16.479 v2(103.251,16.479)
  Top Layer w0.2: C35.2@88.98,18.554 89.161,18.373 89.161,17.646 90.202,16.605 U2.37@91.451,16.605 ; U2.18@99.811,13.605 101.281,13.605 101.412,13.736 v2(101.487,13.736)
  Bottom Layer w0.15: v2(93.084,19.48) 94.529,18.035 97.535,18.035 101.352,14.218 C32.1@103.251,14.218 v2(103.251,16.479)
  Bottom Layer w0.2: v2(101.487,13.736) 102.727,13.736 102.748,13.715 C32.1@103.251,14.218
  Bottom Layer w0.8: C32.1@103.124,13.589 103.124,11.395 C34.2@102.997,11.268 103.011,11.254 105.641,11.254 C33.2@105.655,11.24
RD_N: J2.6 R25.1 U2.13 | length 40.6
  Top Layer w0.254: R25.1@98.933,6.672 99.382,6.223 v2(100.33,6.223) ; U2.13@99.814,11.108 101.11,11.108 101.259,10.96 101.259,9.762 102.639,8.382 112.903,8.382 114.29,9.769 114.29,18.425 113.298,19.417 J2.6@110.162,19.417
  Bottom Layer w0.254: v2(100.33,6.223) 104.205,6.223 104.328,6.1 107.021,6.1 107.696,6.775 107.696,7.807 107.823,7.934 v2(107.823,8.001)